# Altium PCB faydalı yük.PcbDoc
Units mm, origin at the board's own origin, x right, y up, seen from the top; angles counter-clockwise.
Board outline 90 x 70 mm, 2 copper layers (Top Layer, Bottom Layer); 7 components, 12 nets, 62 pads, 0 vias.
Unrouted connection lines stored in the file: 2.
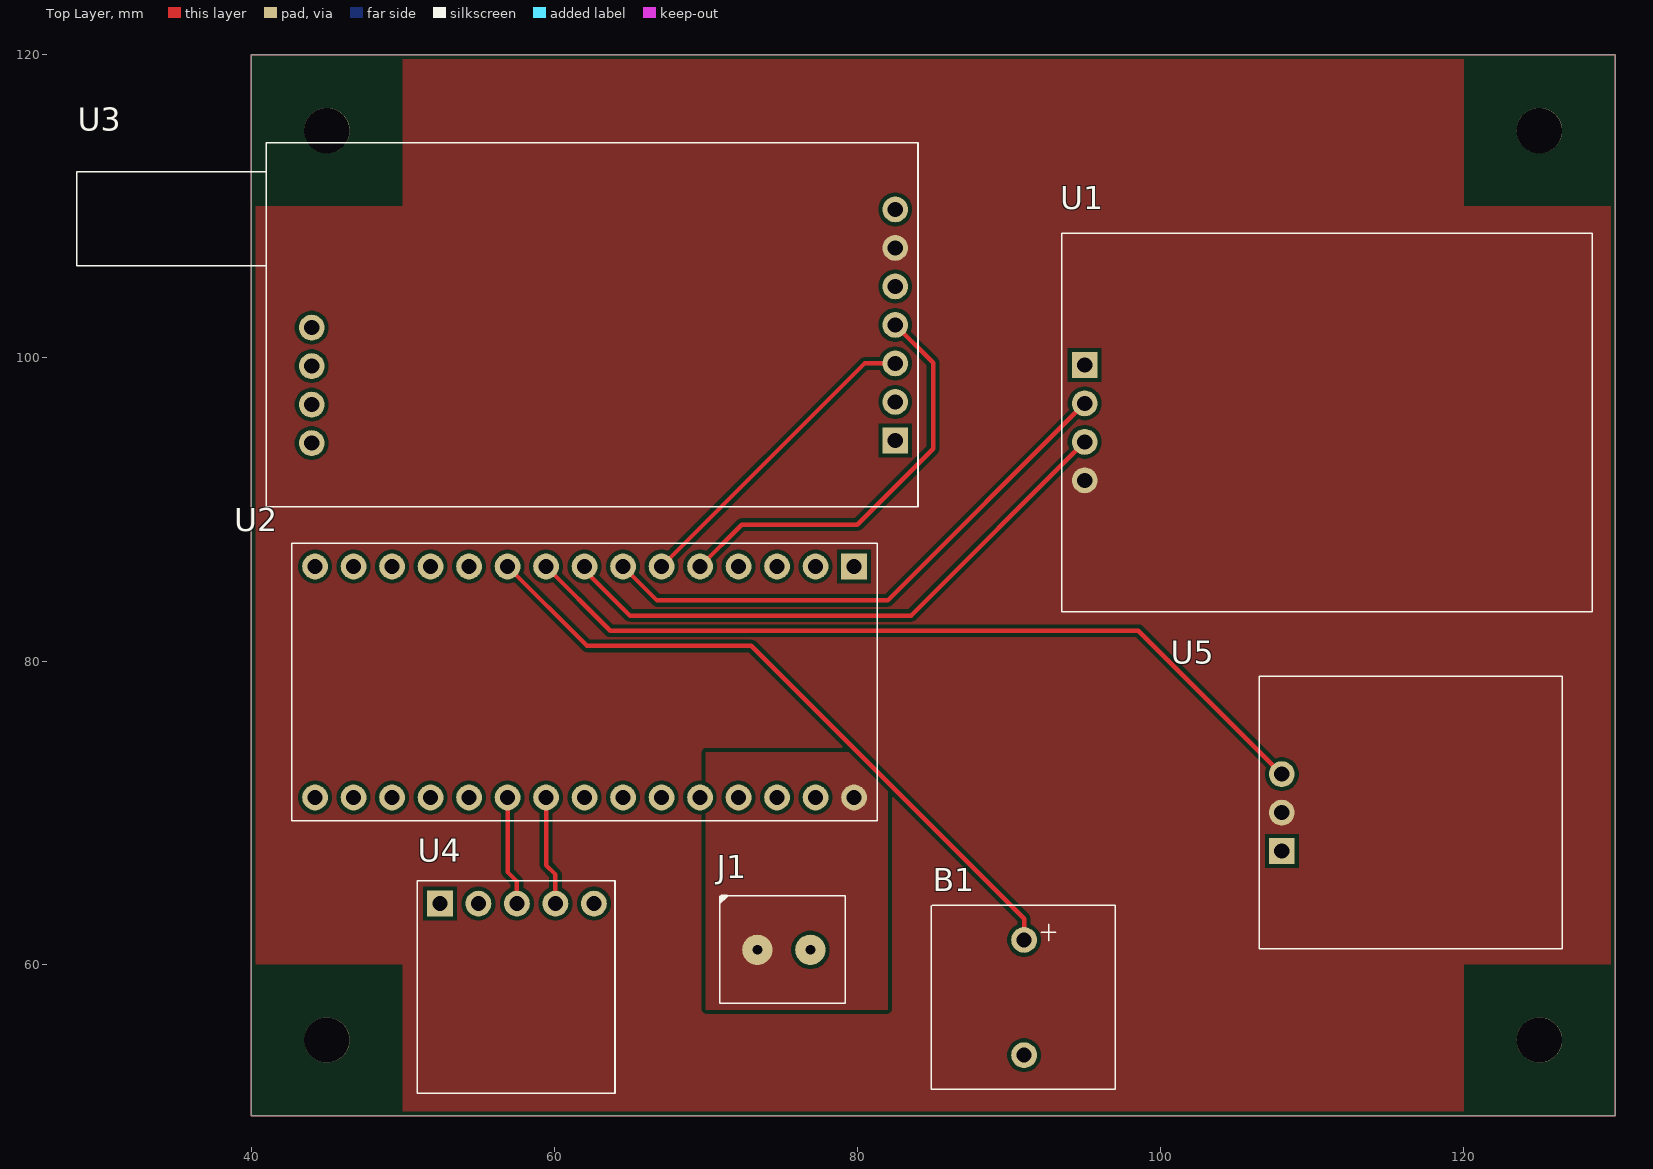
[diagram p0: Top Layer view]
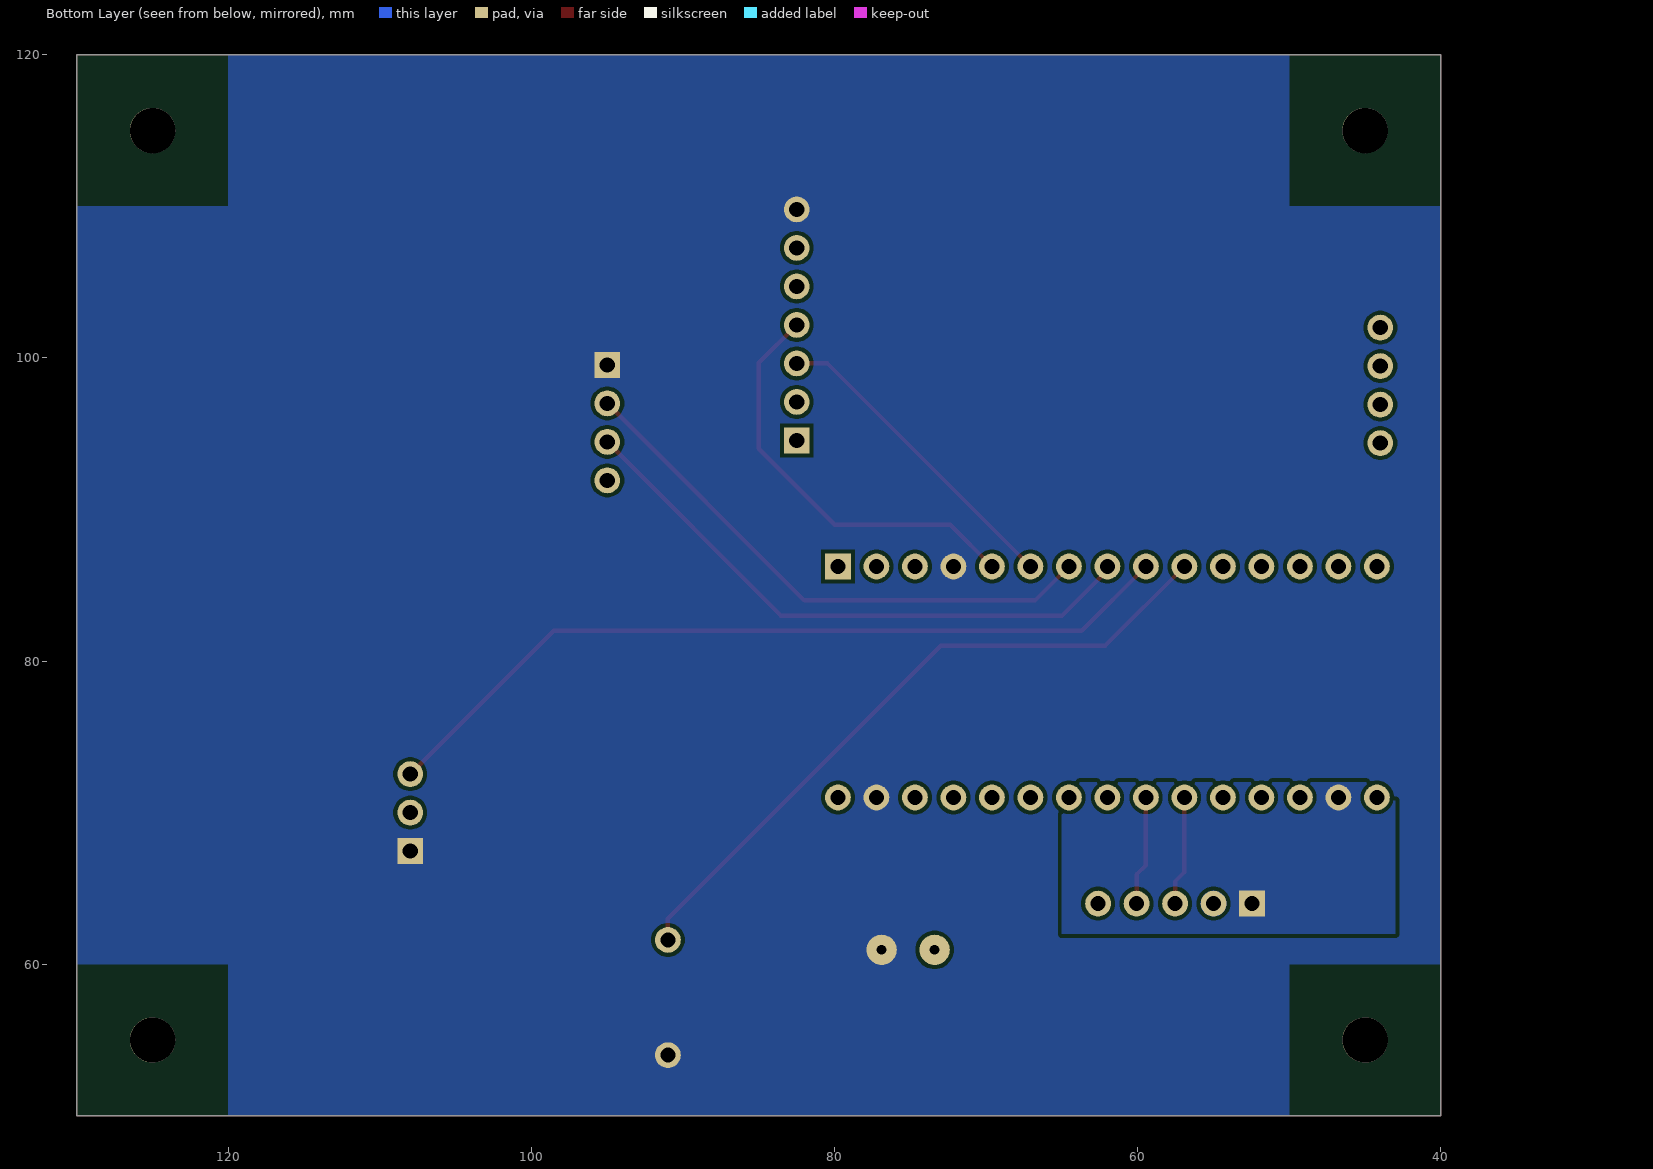
[diagram p1: Bottom Layer view, seen from below]

## Layer stack, top to bottom
Top Solder: solder mask 0.0102, Solder Resist, Dk 3.5
Top Layer: signal copper 0.0356
Dielectric 1: dielectric 0.32, FR-4, Dk 4.8
Bottom Layer: signal copper 0.0356
Bottom Solder: solder mask 0.0102, Solder Resist, Dk 3.5

## Board outline
40,50 130,50 130,120 40,120

## Design rules (kind name [scope] priority, off if disabled: settings)
Clearance [All] p1: gap=0.254 ignorepadtopadclearanceinfootprint=FALSE except(0: Arc-Hole Track-Hole SMDPad-Hole THPad-Hole Via-Hole Fill-Hole Poly-Hole Region-Hole Text-Hole)
PolygonConnect [All] p1: connectstyle=Direct reliefconductorwidth=0.254 reliefentries=4 polygonreliefangle="90 Angle" airgapwidth=0.254
RoutingVias [All] p1: holewidth=0.711 width=1.27 viastyle="Through Hole" minholewidth=0.711 minwidth=1.27 maxholewidth=0.711 maxwidth=1.27
SolderMaskExpansion [All] p1: expansion=0.102 istentingtop=FALSE
Width [All] p1: maxlimit=1 minlimit=0.254 preferedwidth=0.3 minimp=50.000000 maximp=50.000000 favimp=50.000000
30 further rules are at their usual default settings.

## Components (designator, comment, footprint, x,y, rotation, side; value= is the part's Value field where it differs from the comment)
B1 "Buzzer 5v" "Buzzer 5v" 91,61.6 r270 top
J1 "Klemens 1x2 3.5mm" "Klemens 1x2 - 3.5mm" 75,61 r0 top
U1 "GY-NEO6MV2" GY-NEO6MV2 95,99.54 r270 top
U2 "NANO" nano 79.78,86.24 r270 top
U3 "E32-868T30D" E32-868T30D 82.5,94.555 r270 top
U4 "BMP180" BMP180 52.46,64 r90 top
U5 "DHT11" DHT11 108,67.46 r270 top

## Footprints (in the part's own frame and the unit in brackets; to place one, negate y for a bottom-side part, rotate by r counter-clockwise, add the part's x,y. Pads: shape width x height; smd on the part's side, far side on the other; paste and mask are expansions set on the pad)
BMP180 [mm]
  rect 1.7x1.7 hole 1: 1(0,0)
  round 1.7 hole 1: 2(0,-2.54) 3(0,-5.08) 4(0,-7.62) 5(0,-10.16)
  silkscreen extent -12.5,-11.55 1.5,1.5, body extent -13,-11.8 2,1.7, height 5.19
"Buzzer 5v" [mm]
  round 1.7 hole 1 mask+0.05: 1(0,0) 2(7.6,0)
  silkscreen extent -2.27,-6.12 9.85,6.02, body extent -2.2,-6.05 9.8,5.95, height 9.5
DHT11 [mm]
  rect 1.7x1.7 hole 1: 1(0,0)
  round 1.7 hole 1: 2(-2.54,0) 3(-5.08,0)
  silkscreen extent -11.55,-1.5 6.45,18.5, body extent -10.2,-7.6 5.8,20.1, height 2.86
E32-868T30D [mm]
  rect 1.7x1.7 hole 1: 1(0,0)
  round 1.7 hole 1: 2(-2.54,0) 3(-5.08,0) 4(-7.62,0) 5(-10.16,0) 6(-12.7,0) 7(-15.24,0) 8(-7.445,-38.5) 9(-4.905,-38.5) 10(-2.365,-38.5) 11(0.175,-38.5)
  silkscreen extent -19.63,-54 4.38,1.5, body extent -19.63,-54.2 4.38,1.5, height 7.57
GY-NEO6MV2 [mm]
  rect 1.7x1.7 hole 1: 1(0,0)
  round 1.7 hole 1: 2(2.54,0) 3(5.08,0) 4(7.62,0)
  silkscreen extent -8.7,-1.5 16.3,33.5, body extent -9.5,-1.88 16.7,33.53, height 6.07
"Klemens 1x2 - 3.5mm" [mm]
  round 2 hole 0.65: 1(-1.6,-0.05) 2(1.9,-0.05)
  silkscreen extent -4.11,-3.58 4.2,3.58, body extent -3.9,-3.45 4.09,3.55, height 8.9
nano [mm]
  rect 1.7x1.7 hole 1: 1(0,0)
  round 1.7 hole 1: 2(0,-2.54) 3(0,-5.08) 4(0,-7.62) 5(0,-10.16) 6(0,-12.7) 7(0,-15.24) 8(0,-17.78) 9(0,-20.32) 10(0,-22.86) 11(0,-25.4) 12(0,-27.94) 13(0,-30.48) 14(0,-33.02) 15(0,-35.56) 16(15.24,-35.56) 17(15.24,-33.02) 18(15.24,-30.48) 19(15.24,-27.94) 20(15.24,-25.4) 21(15.24,-22.86) 22(15.24,-20.32) 23(15.24,-17.78) 24(15.24,-15.24) 25(15.24,-12.7) 26(15.24,-10.16) 27(15.24,-7.62) 28(15.24,-5.08) 29(15.24,-2.54) 30(15.24,0)
  silkscreen extent -1.52,-37.08 16.76,1.52, body extent -1.4,-41.15 16.6,3.85, height 12.25

## Free pads (board coordinates)
  round 3 hole 3: 1(45,115) 2(125,115) 3(125,55) 3(125,55) 4(45,55)

## Nets (pads, with @x,y where several pads share a name; then routed paths per layer and width w, separated by ;. In a path a pad name is that pad's centre, name@x,y a point inside that pad or via, vN(x,y) a via of type N, cw(c..) or ccw(c..) an arc to the next point about the centre after c; other vN are vias at no path point)
GND: B1.2 J1.2 U1.1 U2.4 U2.29 U3.7 U4.2 U5.1
NetB1_1: B1.1 U2.10 | length 45.1
  Top Layer w0.3: U2.10 62.16,81 73,81 91,63 B1.1
NetJ1_1: J1.1 U2.30
NetU1_2: U1.2 U2.7 | length 36.8
  Top Layer w0.3: U2.7 66.78,84 82,84 U1.2
NetU1_3: U1.3 U2.8 | length 39.2
  Top Layer w0.3: U2.8 62,86 65,83 83.54,83 U1.3
NetU1_4: U1.4 U2.27 U3.6 U5.2
NetU2_5: U2.5 U3.4 | length 27.8
  Top Layer w0.3: U2.5 72.38,89 80,89 85,94 85,99.675 U3.4
NetU2_6: U2.6 U3.3 | length 21
  Top Layer w0.3: U2.6 80.475,99.635 U3.3
NetU2_9: U2.9 U5.3 | length 54.2
  Top Layer w0.3: U2.9 63.7,82 98.54,82 U5.3
NetU2_17: U2.17 U4.1
NetU2_21: U2.21 U4.3 | length 7.3
  Top Layer w0.3: U2.21 56.92,66.08 57.54,65.46 U4.3
NetU2_22: U2.22 U4.4 | length 7.3
  Top Layer w0.3: U2.22 59.46,66.54 60.08,65.92 U4.4
pads on no net: U2.1 U2.2 U2.3 U2.11 U2.12 U2.13 U2.14 U2.15 U2.16 U2.18 U2.19 U2.20 U2.23 U2.24 U2.25 U2.26 U2.28 U3.1 U3.2 U3.5 U3.8 U3.9 U3.10 U3.11 U4.5
copper on no net: | length 320
  Top Layer w0.1: 40,50 40,120 130,120 130,50 40,50

## Polygon pours and split planes (outlines as drawn)
GND on Bottom Layer "GND_L02_P005" (solid, pour order 5): 50,50 50,60 40,60 40,110 50,110 50,120 120,120 120,110 130,110 130,60 120,60 120,50
NetU2_17 on Bottom Layer "NETU2_17_L02_P004" (solid, pour order 4): 65,62 43,62 43,73 44,72 65,72
NetU1_4 on Top Layer "NETU1_4_L01_P011" (solid, pour order 11): 50,50 50,60 40,60 40,110 50,110 50,120 120,120 120,110 130,110 130,60 120,60 120,50
NetJ1_1 on Top Layer "NETJ1_1_L01_P010" (solid, pour order 10): 82,74 70,74 70,57 82,57 70,57 82,57